# Altium PCB HOUZZkitF1_Tester_2nd.PcbDoc
Units mm, origin at the board's own origin, x right, y up, seen from the top; angles counter-clockwise.
Board outline 180 x 153 mm, 2 copper layers (Top Layer, Bottom Layer); 12 components, 1 nets, 60 pads, 0 vias.
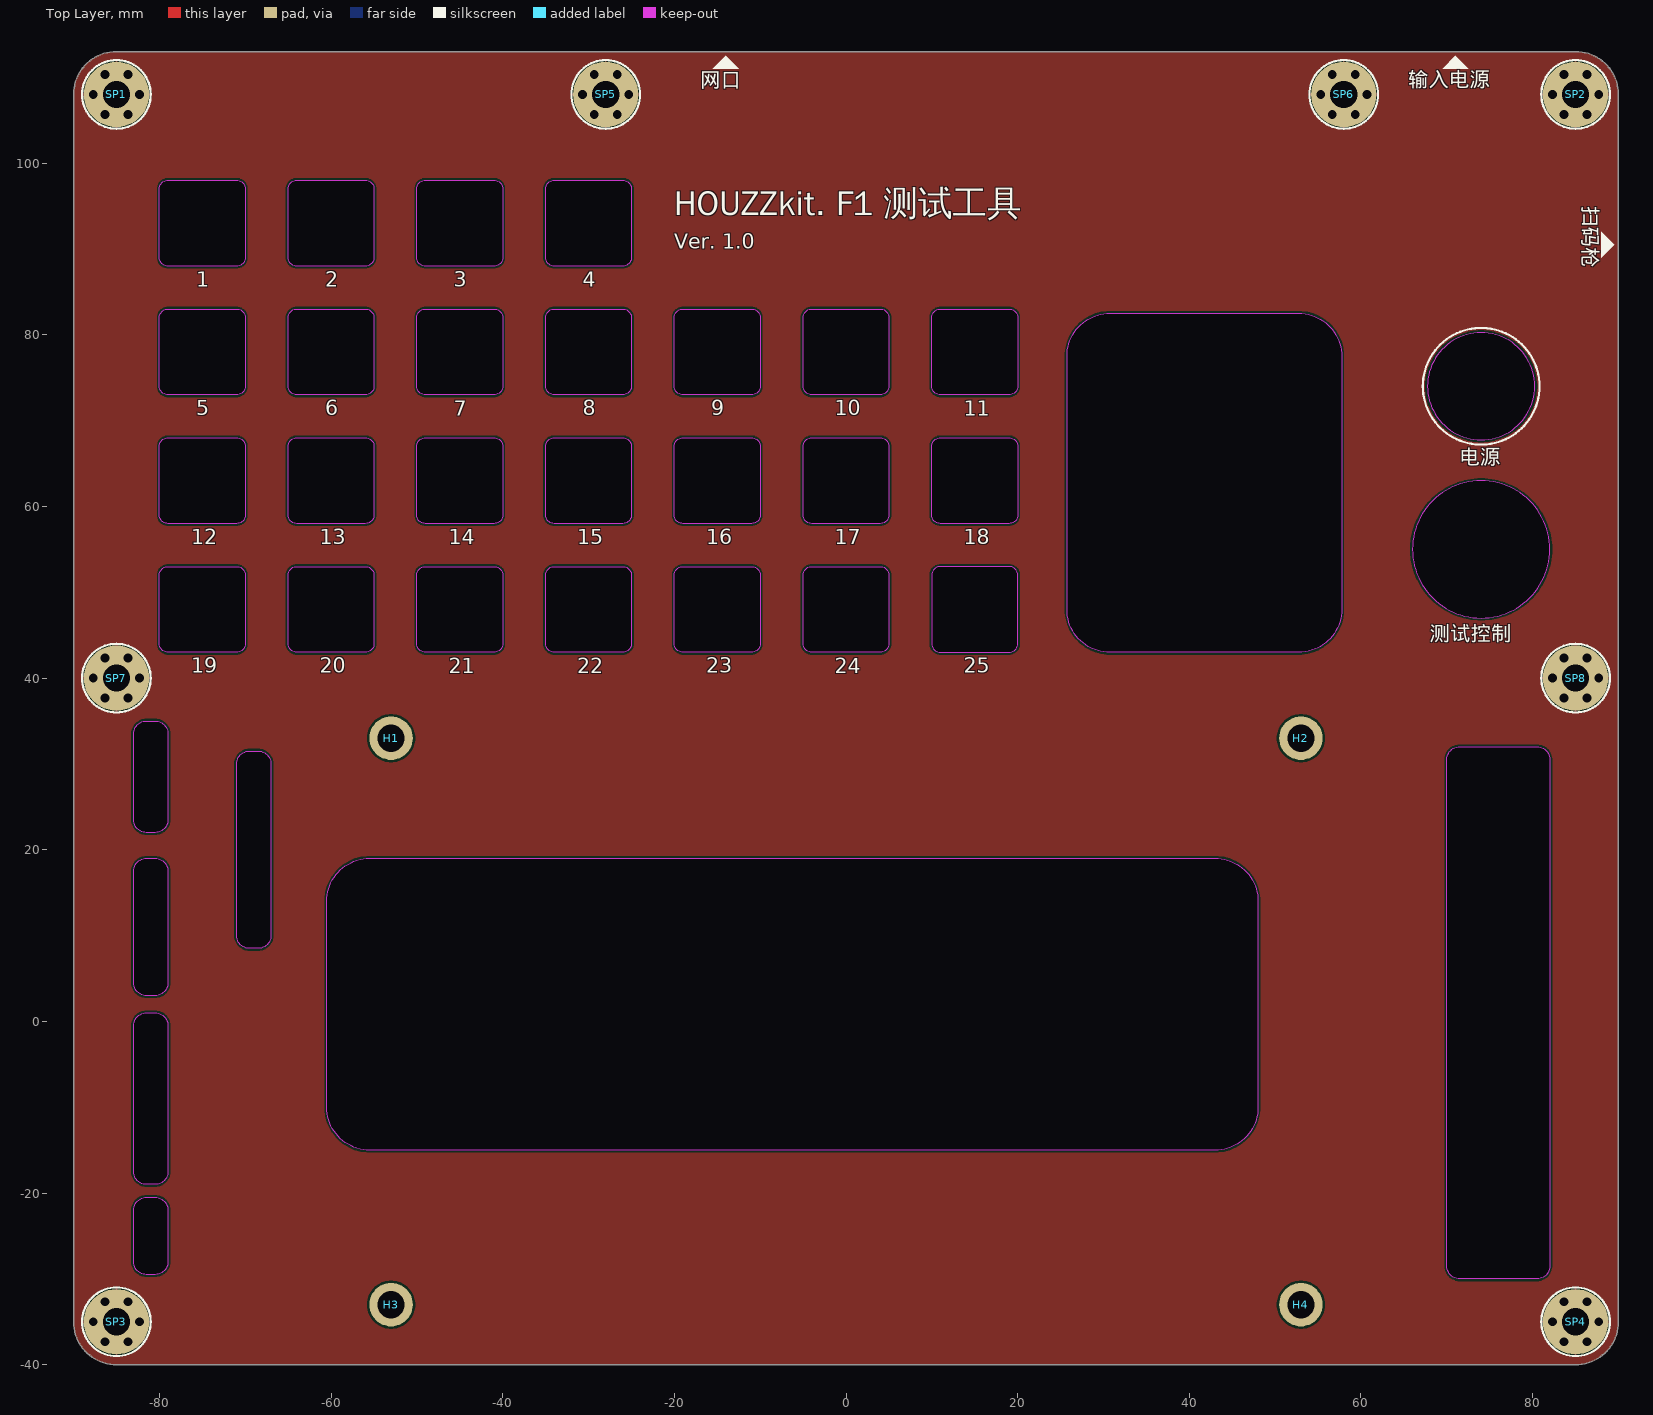
[diagram p0: Top Layer view]
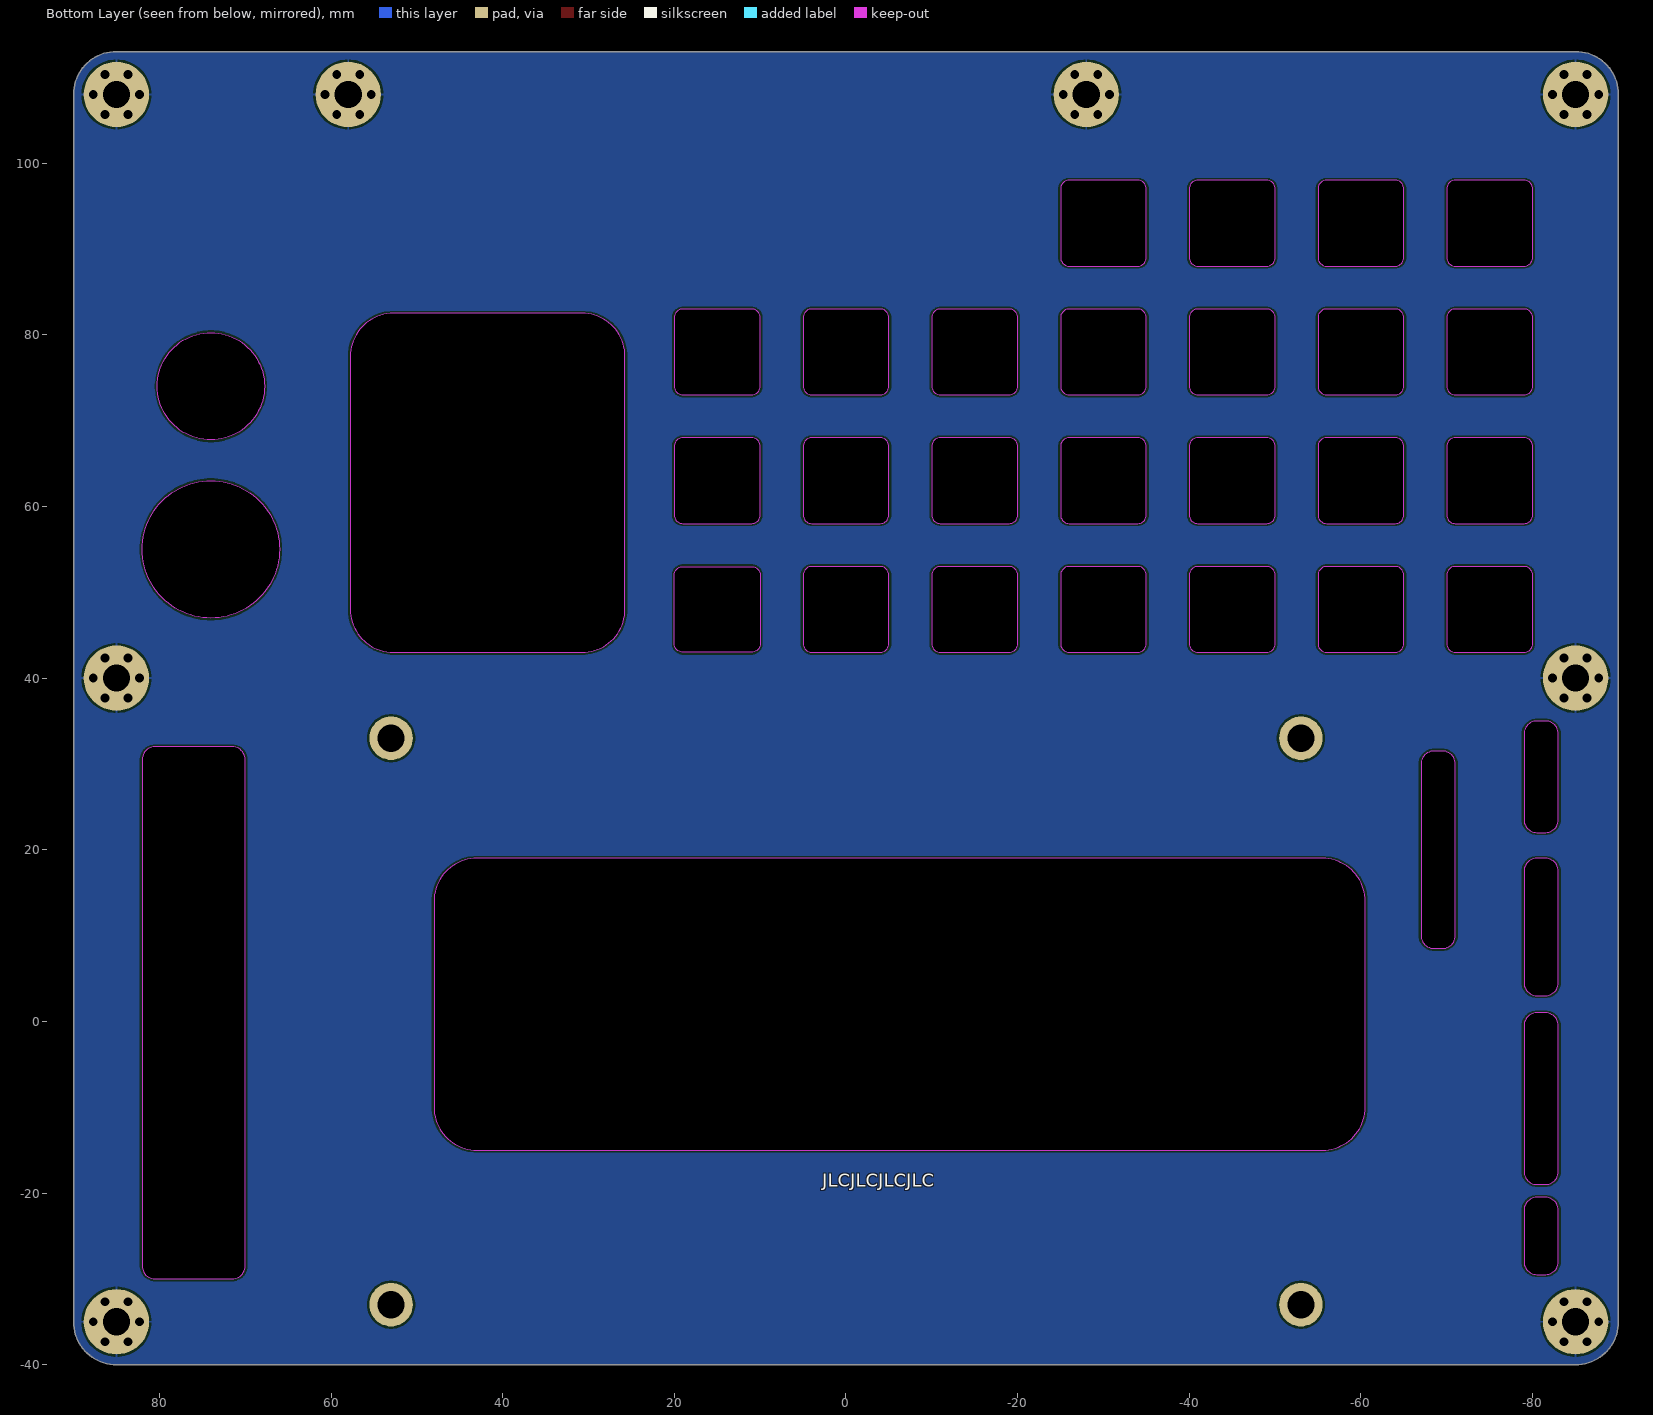
[diagram p1: Bottom Layer view, seen from below]

## Layer stack, top to bottom
Top Solder: solder mask 0.0102, Solder Resist, Dk 3.5
Top Layer: signal copper 0.0356
Dielectric 1: dielectric 0.32, FR-4, Dk 4.8
Bottom Layer: signal copper 0.0356
Bottom Solder: solder mask 0.0102, Solder Resist, Dk 3.5

## Board outline
-90,-35 -90,108 cw(c-85,108) -85,113 85,113 cw(c85,108) 90,108 90,-35 cw(c85,-35) 85,-40 -85,-40 cw(c-85,-35)
cut-out: -83,23.5 -83,33.5 cw(c-81.5,33.5) -81.5,35 -80.5,35 cw(c-80.5,33.5) -79,33.5 -79,23.5 cw(c-80.5,23.5) -80.5,22 -81.5,22 cw(c-81.5,23.5)
cut-out: -69.5,8.5 cw(c-69.5,10) -71,10 -71,30 cw(c-69.5,30) -69.5,31.5 -68.5,31.5 cw(c-68.5,30) -67,30 -67,10 cw(c-68.5,10) -68.5,8.5
cut-out: 70,-28.5 70,30.5 cw(c71.5,30.5) 71.5,32 80.5,32 cw(c80.5,30.5) 82,30.5 82,-28.5 cw(c80.5,-28.5) 80.5,-30 71.5,-30 cw(c71.5,-28.5)
cut-out: 66,55 ccw(c74,55) 74,47 ccw(c74,55) 82,55 ccw(c74,55) 74,63 ccw(c74,55)
cut-out: 25.75,48 25.75,77.5 cw(c30.75,77.5) 30.75,82.5 52.75,82.5 cw(c52.75,77.5) 57.75,77.5 57.75,48 cw(c52.75,48) 52.75,43 30.75,43 cw(c30.75,48)
cut-out: -83,-28 -83,-22 cw(c-81.5,-22) -81.5,-20.5 -80.5,-20.5 cw(c-80.5,-22) -79,-22 -79,-28 cw(c-80.5,-28) -80.5,-29.5 -81.5,-29.5 cw(c-81.5,-28)
cut-out: -83,-17.5 -83,-0.5 cw(c-81.5,-0.5) -81.5,1 -80.5,1 cw(c-80.5,-0.5) -79,-0.5 -79,-17.5 cw(c-80.5,-17.5) -80.5,-19 -81.5,-19 cw(c-81.5,-17.5)
cut-out: -83,4.5 -83,17.5 cw(c-81.5,17.5) -81.5,19 -80.5,19 cw(c-80.5,17.5) -79,17.5 -79,4.5 cw(c-80.5,4.5) -80.5,3 -81.5,3 cw(c-81.5,4.5)
cut-out: -60.5,-10 -60.5,14 cw(c-55.5,14) -55.5,19 43,19 cw(c43,14) 48,14 48,-10 cw(c43,-10) 43,-15 -55.5,-15 cw(c-55.5,-10)
cut-out: 67.75,74 ccw(c74,74) 74,67.75 ccw(c74,74) 80.25,74 ccw(c74,74) 74,80.25 ccw(c74,74)
cut-out: 10,44 ccw(c11,44) 11,43 19,43 ccw(c19,44) 20,44 20,52 ccw(c19,52) 19,53 11,53 ccw(c11,52) 10,52
cut-out: 10,59 10,67 cw(c11,67) 11,68 19,68 cw(c19,67) 20,67 20,59 cw(c19,59) 19,58 11,58 cw(c11,59)
cut-out: 10,74 10,82 cw(c11,82) 11,83 19,83 cw(c19,82) 20,82 20,74 cw(c19,74) 19,73 11,73 cw(c11,74)
cut-out: -5,44 -5,52 cw(c-4,52) -4,53 4,53 cw(c4,52) 5,52 5,44 cw(c4,44) 4,43 -4,43 cw(c-4,44)
cut-out: -4,58 cw(c-4,59) -5,59 -5,67 cw(c-4,67) -4,68 4,68 cw(c4,67) 5,67 5,59 cw(c4,59) 4,58
cut-out: -4,73 cw(c-4,74) -5,74 -5,82 cw(c-4,82) -4,83 4,83 cw(c4,82) 5,82 5,74 cw(c4,74) 4,73
cut-out: -20,44 -20,52 cw(c-19,52) -19,53 -11,53 cw(c-11,52) -10,52 -10,44 cw(c-11,44) -11,43 -19,43 cw(c-19,44)
cut-out: -19,58 cw(c-19,59) -20,59 -20,67 cw(c-19,67) -19,68 -11,68 cw(c-11,67) -10,67 -10,59 cw(c-11,59) -11,58
cut-out: -19,73 cw(c-19,74) -20,74 -20,82 cw(c-19,82) -19,83 -11,83 cw(c-11,82) -10,82 -10,74 cw(c-11,74) -11,73
cut-out: -35,44 -35,52 cw(c-34,52) -34,53 -26,53 cw(c-26,52) -25,52 -25,44 cw(c-26,44) -26,43 -34,43 cw(c-34,44)
cut-out: -34,58 cw(c-34,59) -35,59 -35,67 cw(c-34,67) -34,68 -26,68 cw(c-26,67) -25,67 -25,59 cw(c-26,59) -26,58
cut-out: -34,73 cw(c-34,74) -35,74 -35,82 cw(c-34,82) -34,83 -26,83 cw(c-26,82) -25,82 -25,74 cw(c-26,74) -26,73
cut-out: -35,89 -35,97 cw(c-34,97) -34,98 -26,98 cw(c-26,97) -25,97 -25,89 cw(c-26,89) -26,88 -34,88 cw(c-34,89)
cut-out: -50,44 -50,52 cw(c-49,52) -49,53 -41,53 cw(c-41,52) -40,52 -40,44 cw(c-41,44) -41,43 -49,43 cw(c-49,44)
cut-out: -49,58 cw(c-49,59) -50,59 -50,67 cw(c-49,67) -49,68 -41,68 cw(c-41,67) -40,67 -40,59 cw(c-41,59) -41,58
cut-out: -49,73 cw(c-49,74) -50,74 -50,82 cw(c-49,82) -49,83 -41,83 cw(c-41,82) -40,82 -40,74 cw(c-41,74) -41,73
cut-out: -50,89 -50,97 cw(c-49,97) -49,98 -41,98 cw(c-41,97) -40,97 -40,89 cw(c-41,89) -41,88 -49,88 cw(c-49,89)
cut-out: -65,44 -65,52 cw(c-64,52) -64,53 -56,53 cw(c-56,52) -55,52 -55,44 cw(c-56,44) -56,43 -64,43 cw(c-64,44)
cut-out: -64,58 cw(c-64,59) -65,59 -65,67 cw(c-64,67) -64,68 -56,68 cw(c-56,67) -55,67 -55,59 cw(c-56,59) -56,58
cut-out: -64,73 cw(c-64,74) -65,74 -65,82 cw(c-64,82) -64,83 -56,83 cw(c-56,82) -55,82 -55,74 cw(c-56,74) -56,73
cut-out: -64,88 cw(c-64,89) -65,89 -65,97 cw(c-64,97) -64,98 -56,98 cw(c-56,97) -55,97 -55,89 cw(c-56,89) -56,88
cut-out: -79,88 cw(c-79,89) -80,89 -80,97 cw(c-79,97) -79,98 -71,98 cw(c-71,97) -70,97 -70,89 cw(c-71,89) -71,88
cut-out: -79,73 cw(c-79,74) -80,74 -80,82 cw(c-79,82) -79,83 -71,83 cw(c-71,82) -70,82 -70,74 cw(c-71,74) -71,73
cut-out: -79,58 cw(c-79,59) -80,59 -80,67 cw(c-79,67) -79,68 -71,68 cw(c-71,67) -70,67 -70,59 cw(c-71,59) -71,58
cut-out: -80,44 -80,52 cw(c-79,52) -79,53 -71,53 cw(c-71,52) -70,52 -70,44 cw(c-71,44) -71,43 -79,43 cw(c-79,44)

## Design rules (kind name [scope] priority, off if disabled: settings)
Clearance [All] p1: gap=0.254 ignorepadtopadclearanceinfootprint=FALSE except(0: Arc-Hole Track-Hole SMDPad-Hole THPad-Hole Via-Hole Fill-Hole Poly-Hole Region-Hole Text-Hole)
PolygonConnect [All] p1: connectstyle=Relief reliefconductorwidth=0.254 reliefentries=4 polygonreliefangle="90 Angle" airgapwidth=0.254
RoutingVias [All] p1: holewidth=0.711 width=1.27 viastyle="Through Hole" minholewidth=0.711 minwidth=1.27 maxholewidth=0.711 maxwidth=1.27
SolderMaskExpansion [All] p1: expansion=0.102 istentingtop=FALSE
Width [All] p1: maxlimit=0.254 minlimit=0.254 preferedwidth=0.254
30 further rules are at their usual default settings.

## Components (designator, comment, footprint, x,y, rotation, side; value= is the part's Value field where it differs from the comment)
H1 "M3" "M3 125X200" -53,33 r0 top
H2 "M3" "M3 125X200" 53,33 r0 top locked
H3 "M3" "M3 125X200" -53,-33 r0 top locked
H4 "M3" "M3 125X200" 53,-33 r0 top locked
SP1 "M3铜柱" M3x4_N -85,108 r0 top locked
SP2 "M3铜柱" M3x4_N 85,108 r0 top locked
SP3 "M3铜柱" M3x4_N -85,-35 r0 top locked
SP4 "M3铜柱" M3x4_N 85,-35 r0 top locked
SP5 "M3铜柱" M3x4_N -28,108 r0 top locked
SP6 "M3铜柱" M3x4_N 58,108 r0 top locked
SP7 "M3铜柱" M3x4_N -85,40 r0 top locked
SP8 "M3铜柱" M3x4_N 85,40 r0 top locked

## Footprints (in the part's own frame and the unit in brackets; to place one, negate y for a bottom-side part, rotate by r counter-clockwise, add the part's x,y. Pads: shape width x height; smd on the part's side, far side on the other; paste and mask are expansions set on the pad)
"M3 125X200" [mm] "M3螺丝孔，孔125Mil，焊盘200Mil"
  round 5.08 hole 3.175: 1(0,0)
M3x4_N [mil] "M3铜柱，长：4mm"
  round 40 hole 40: 1(-106,0) 1(-53,-91.8) 1(-53,91.8) 1(53,-91.8) 1(53,91.8) 1(106,0)
  round 300 hole 125: 1(0,0)
  silkscreen extent -157,-157 157,157, body extent -106,-93 106,93, height 159

## Part data
H1 H2 H3 H4: "铜柱孔", BOM名称=铜柱孔, 学习资源=www.ooocke.com, 版权归属=源创客
SP1 SP2 SP3 SP4 SP5 SP6 SP7 SP8: library part 铜柱大焊盘, "铜柱", BOM名称=铜柱, 学习资源=www.ooocke.com, 版权归属=源创客

## Nets (pads, with @x,y where several pads share a name; then routed paths per layer and width w, separated by ;. In a path a pad name is that pad's centre, name@x,y a point inside that pad or via, vN(x,y) a via of type N, cw(c..) or ccw(c..) an arc to the next point about the centre after c; other vN are vias at no path point)
GND: SP1.1 SP2.1 SP3.1 SP4.1 SP5.1 SP6.1 SP7.1 SP8.1
pads on no net: H1.1 H2.1 H3.1 H4.1

## Polygon pours and split planes (outlines as drawn)
GND on Top Layer "GND_L01_P001" (solid, pour order 1): -90,-35 -90,108 cw(c-85,108) -85,113 85,113 cw(c85,108) 90,108 90,-35 cw(c85,-35) 85,-40 -85,-40 cw(c-85,-35)
GND on Bottom Layer "GND_L02_P002" (solid, pour order 2): -90,-35 -90,108 cw(c-85,108) -85,113 85,113 cw(c85,108) 90,108 90,-35 cw(c85,-35) 85,-40 -85,-40 cw(c-85,-35)

## Silkscreen, mask and mechanical layers (free items; w line width, h text height)
Top Overlay:
  circle w0.254: c74,74 r6.8
  region: 89.5,90.5 88,92 88,89
  region: 71,112.5 69.5,111 72.5,111
  region: -14,112.5 -15.5,111 -12.5,111
  text "输入电源" at 65.5,108.32 h3
  text "网口" at -16.999,108.275 h3
  text "扫码枪" at 85.286,95 h3 r270
  text "HOUZZkit. F1 测试工具" at -19.998,92.958 h5
  text "Ver. 1.0" at -19.999,89.467 h3
  text "3" at -45.7,85.033 h3
  text "1" at -75.7,85 h3
  text "2" at -60.7,85 h3
  text "4" at -30.7,85 h3
  text "5" at -75.7,70.033 h3
  text "6" at -60.7,70.033 h3
  text "8" at -30.7,70.035 h3
  text "9" at -15.7,70.035 h3
  text "10" at -1.3,70.033 h3
  text "7" at -45.7,70 h3
  text "11" at 13.7,70 h3
  text "电源" at 71.5,64.32 h3
  text "13" at -61.3,55.033 h3
  text "15" at -31.3,55.033 h3
  text "16" at -16.3,55.033 h3
  text "18" at 13.7,55.035 h3
  text "12" at -76.3,55 h3
  text "14" at -46.3,55 h3
  text "17" at -1.3,55 h3
  text "测试控制" at 68,43.786 h3
  text "19" at -76.3,40.035 h3
  text "20" at -61.3,40.033 h3
  text "23" at -16.3,40.033 h3
  text "25" at 13.7,40.033 h3
  text "21" at -46.3,40 h3
  text "22" at -31.3,40 h3
  text "24" at -1.3,40 h3
Bottom Overlay:
  text "JLCJLCJLCJLC" at 2.746,-19.246 h1.52
Mechanical 1:
  drawing of 275 lines, arcs and shapes, not listed